# KiCad board NCU.kicad_pcb (continued)
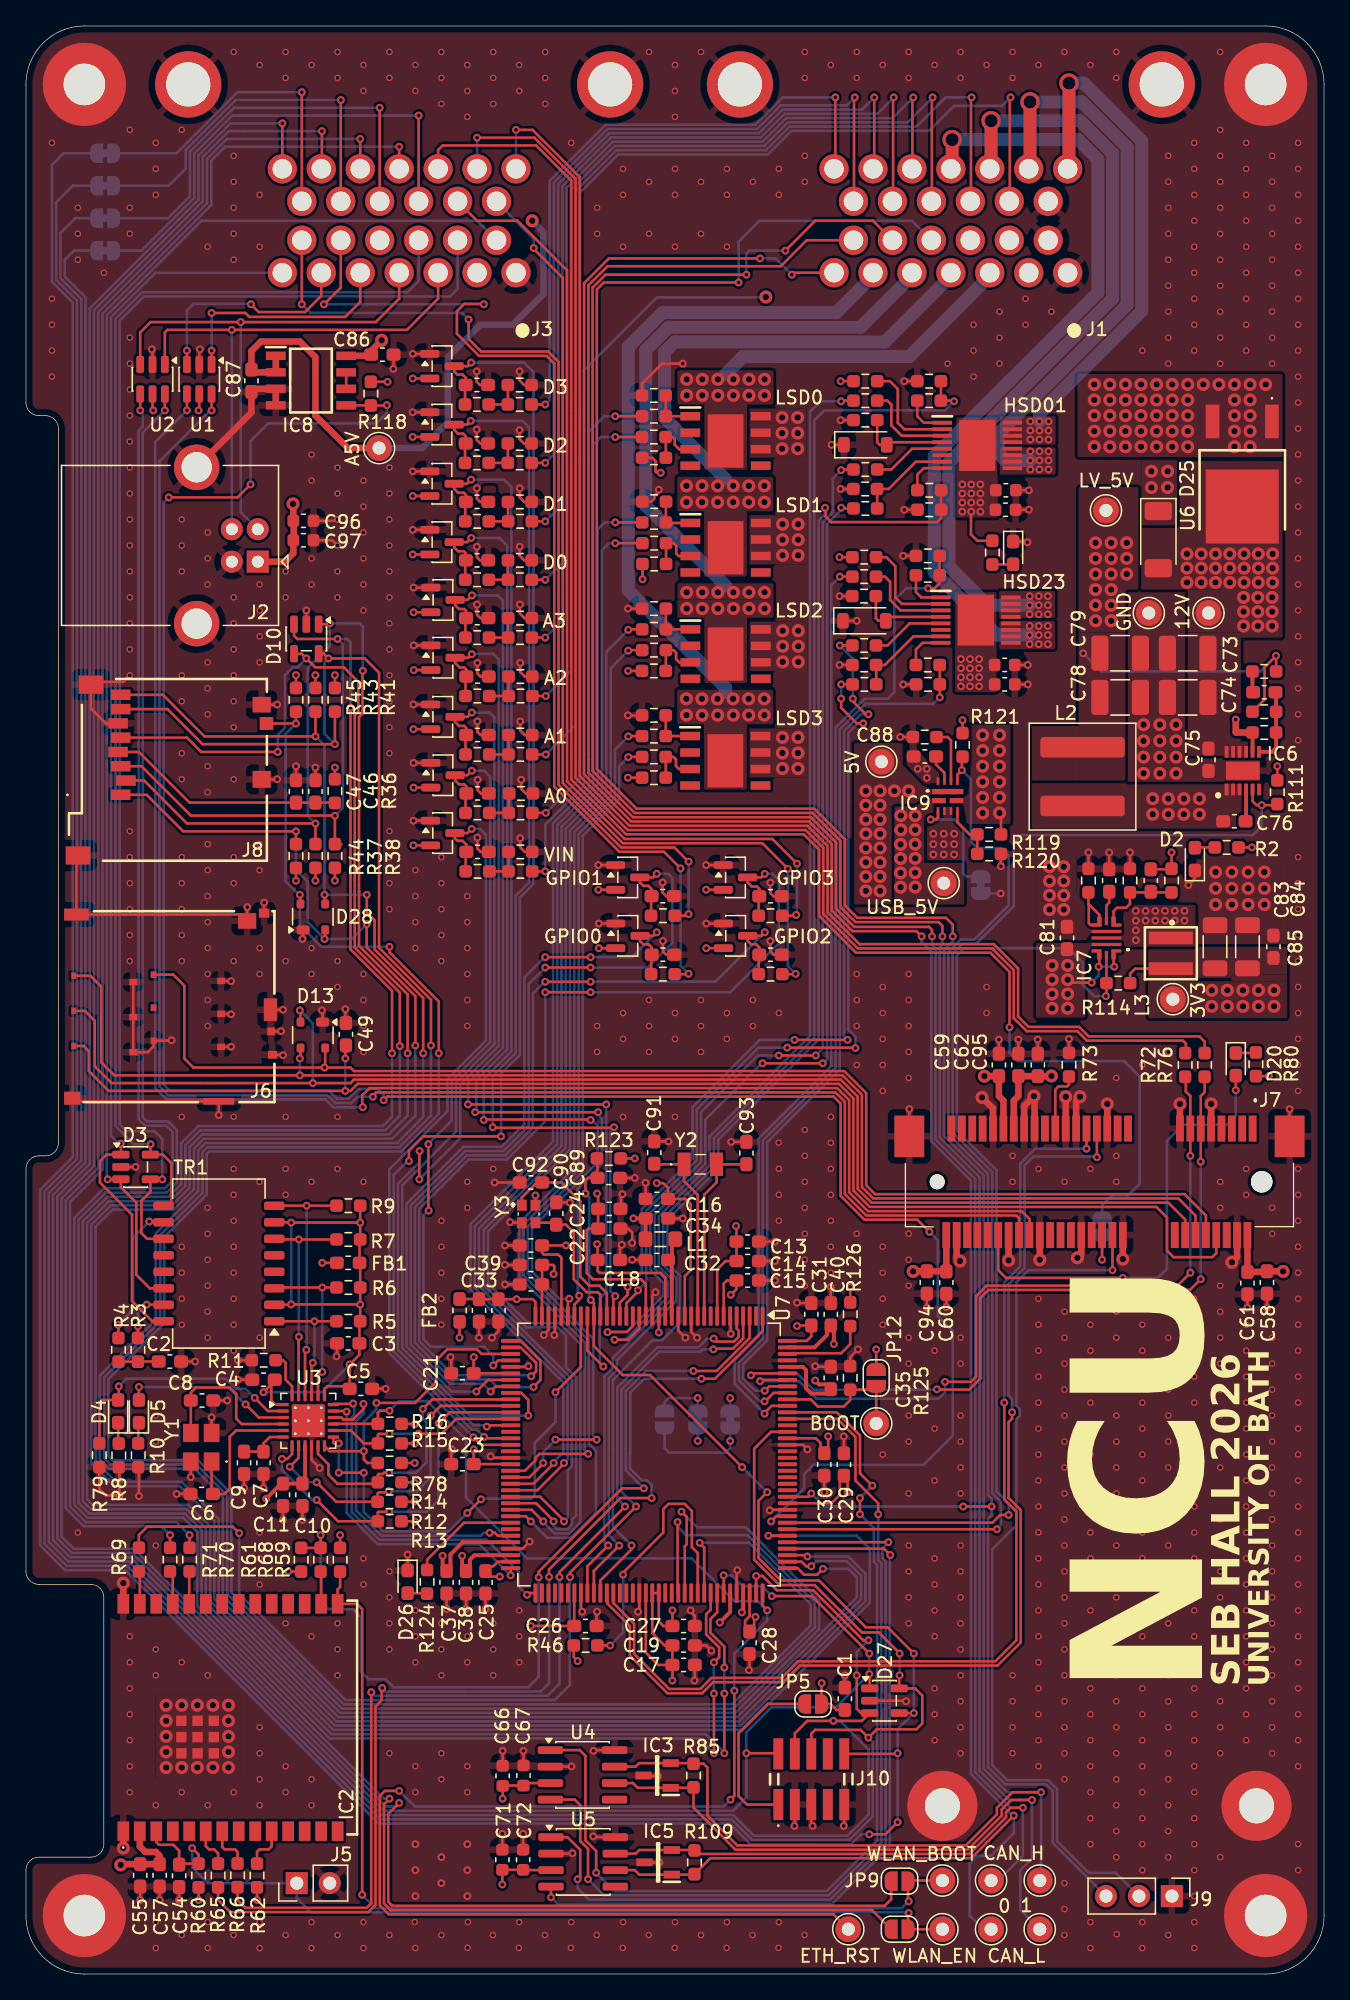
[diagram p0: board, top side]
## Placement (name value [footprint] x y rotation side) (continued)
R88  100k  [R_0603_1608Metric_Pad0.98x0.95mm_HandSolder]  48.37 121.55 180 top
R89  100k  [R_0603_1608Metric_Pad0.98x0.95mm_HandSolder]  48.38 116.75 0 top
R90  2.2k  [R_0603_1608Metric_Pad0.98x0.95mm_HandSolder]  48.38 103.54 180 top
R91  2.2k  [R_0603_1608Metric_Pad0.98x0.95mm_HandSolder]  48.38 101.94 180 top
R92  100k  [R_0603_1608Metric_Pad0.98x0.95mm_HandSolder]  48.38 105.14 180 top
R93  100k  [R_0603_1608Metric_Pad0.98x0.95mm_HandSolder]  48.37 100.34 0 top
R94  100k  [R_0603_1608Metric_Pad0.98x0.95mm_HandSolder]  69.58 122.65 180 top
R95  100k  [R_0603_1608Metric_Pad0.98x0.95mm_HandSolder]  69.59 112.75 180 top
R96  15k  [R_0603_1608Metric_Pad0.98x0.95mm_HandSolder]  69.58 121.15 180 top
R97  15k  [R_0603_1608Metric_Pad0.98x0.95mm_HandSolder]  64.66 121.15 0 top
R98  15k  [R_0603_1608Metric_Pad0.98x0.95mm_HandSolder]  64.66 115.85 0 top
R99  15k  [R_0603_1608Metric_Pad0.98x0.95mm_HandSolder]  64.66 112.85 0 top
R100  15k  [R_0603_1608Metric_Pad0.98x0.95mm_HandSolder]  69.59 114.25 180 top
R101  620R  [R_0603_1608Metric_Pad0.98x0.95mm_HandSolder]  64.65 114.35 0 top
R102  4.7k  [R_0603_1608Metric_Pad0.98x0.95mm_HandSolder]  64.66 119.65 180 top
R103  15k  [R_0603_1608Metric_Pad0.98x0.95mm_HandSolder]  64.66 122.65 0 top
R104  2.2k  [R_0603_1608Metric_Pad0.98x0.95mm_HandSolder]  48.37 95.32 180 top
R105  2.2k  [R_0603_1608Metric_Pad0.98x0.95mm_HandSolder]  48.37 93.72 180 top
R106  100k  [R_0603_1608Metric_Pad0.98x0.95mm_HandSolder]  48.37 96.92 180 top
R107  100k  [R_0603_1608Metric_Pad0.98x0.95mm_HandSolder]  48.37 92.12 0 top
R108  100  [R_0603_1608Metric_Pad0.98x0.95mm_HandSolder]  49.07 76.99 180 top
R109  120R  [R_0603_1608Metric_Pad0.98x0.95mm_HandSolder]  51.5 8.6 270 top  (not fitted)
R110  19.1k  [R_0603_1608Metric_Pad0.98x0.95mm_HandSolder]  95.39 95.6 180 top
R111  100k  [R_0603_1608Metric_Pad0.98x0.95mm_HandSolder]  96.4 91 90 top
R112  100k  [R_0603_1608Metric_Pad0.98x0.95mm_HandSolder]  95.39 97.2 0 top
R113  1k  [R_0603_1608Metric_Pad0.98x0.95mm_HandSolder]  95.39 100.3 180 top
R114  100k  [R_0603_1608Metric_Pad0.98x0.95mm_HandSolder]  84.15 76.3 0 top
R115  8.06k  [R_0603_1608Metric_Pad0.98x0.95mm_HandSolder]  81.85 84.2 270 top
R116  88.7k  [R_0603_1608Metric_Pad0.98x0.95mm_HandSolder]  88.25 84.2 90 top
R117  19.6k  [R_0603_1608Metric_Pad0.98x0.95mm_HandSolder]  85.05 84.2 270 top
R118  100k  [R_0603_1608Metric_Pad0.98x0.95mm_HandSolder]  26.57 121.69 90 top
R119  18k  [R_0603_1608Metric_Pad0.98x0.95mm_HandSolder]  74.2 87.75 180 top
R120  5k  [R_0603_1608Metric_Pad0.98x0.95mm_HandSolder]  74.2 86.25 0 top
R121  18k  [R_0603_1608Metric_Pad0.98x0.95mm_HandSolder]  72.15 94.64 270 top
R122  22.1k  [R_0603_1608Metric_Pad0.98x0.95mm_HandSolder]  69.24 95.25 180 top
R123  10k  [R_0603_1608Metric_Pad0.98x0.95mm_HandSolder]  44.9 62.8 180 top
R124  260R  [R_0603_1608Metric_Pad0.98x0.95mm_HandSolder]  30.9 30.2 270 top
R125  10k  [R_0603_1608Metric_Pad0.98x0.95mm_HandSolder]  63.5 45.9 90 top
R126  10k  [R_0603_1608Metric_Pad0.98x0.95mm_HandSolder]  63.5 50.8 270 top
S1  BTS3050EJXUMA1  [SOIC127P600X115-9N]  53.9 109.82 0 top
S2  BTS3050EJXUMA1  [SOIC127P600X115-9N]  53.89 118.05 0 top
S3  BTS3050EJXUMA1  [SOIC127P600X115-9N]  53.9 101.63 0 top
S4  BTS3050EJXUMA1  [SOIC127P600X115-9N]  53.87 93.42 0 top
TP1  12V  [TestPoint_THTPad_D2.0mm_Drill1.0mm]  91.1 104.8 0 top
TP2  GND  [TestPoint_THTPad_D2.0mm_Drill1.0mm]  86.5 104.8 180 top
TP3  LV_5V  [TestPoint_THTPad_D2.0mm_Drill1.0mm]  83.2 112.7 180 top
TP4  A5V  [TestPoint_THTPad_D2.0mm_Drill1.0mm]  27.2 117.5 0 top
TP6  USB_5V  [TestPoint_THTPad_D2.0mm_Drill1.0mm]  70.7 84 270 top
TP8  5V  [TestPoint_THTPad_D2.0mm_Drill1.0mm]  65.9 93.35 0 top
TP9  3V3  [TestPoint_THTPad_D2.0mm_Drill1.0mm]  88.35 75.06 180 top
TP10  WLAN_BOOT  [TestPoint_THTPad_D2.0mm_Drill1.0mm]  70.6 7.2 0 top
TP11  WLAN_EN  [TestPoint_THTPad_D2.0mm_Drill1.0mm]  70.6 3.45 0 top
TP14  CAN_H  [TestPoint_THTPad_D2.0mm_Drill1.0mm]  78.1 7.2 0 top
TP15  CAN_L  [TestPoint_THTPad_D2.0mm_Drill1.0mm]  78.1 3.45 0 top
TP16  CAN_H  [TestPoint_THTPad_D2.0mm_Drill1.0mm]  74.35 7.2 0 top
TP17  CAN_L  [TestPoint_THTPad_D2.0mm_Drill1.0mm]  74.35 3.45 0 top
TP18  BOOT  [TestPoint_THTPad_D2.0mm_Drill1.0mm]  65.5 42.4 270 top
TP20  ETH_RST  [TestPoint_THTPad_D2.0mm_Drill1.0mm]  63.35 3.45 0 top
TR1  PT61017PEL  [Transformer_Ethernet_Bourns_PT61017PEL]  14.86 54.71 180 top
U1  USBLC6-2SC6  [SOT-23-6]  13.35 122.8 270 top
U2  USBLC6-2SC6  [SOT-23-6]  9.75 122.8 270 top
U3  LAN8742A  [VQFN-24-1EP_4x4mm_P0.5mm_EP2.5x2.5mm_ThermalVias]  21.75 42.6 0 top
U4  SN65HVD230  [SOIC-8_3.9x4.9mm_P1.27mm]  42.88 15.34 0 top
U5  SN65HVD230  [SOIC-8_3.9x4.9mm_P1.27mm]  42.92 8.63 0 top
U6  TA6F27CA  [D_SOD-128]  87.24 110.45 270 top
U7  STM32H745ZITx  [LQFP-144_20x20mm_P0.5mm]  48 40 270 top
Y1  -  [LFXTAL071758Cutt]  13.5 40.56 90 top
Y2  NX3215SA-32.768K-STD-MUS-2  [NX3215SA32768KSTDMUS2]  51.95 62.35 0 top
Y3  Crystal_GND24  [NX2016SA32MEXS00ACS06465]  38.72 58.53 270 top

## Library data of the parts
C1-C97 = -: Description: Unpolarized capacitor; ki_fp_filters: C_*
D1 D2 D4 D5 D20 D26 = -: Description: Light emitting diode; Sim.Pins: 1=K 2=A; ki_fp_filters: LED* LED_SMD:* LED_THT:*
D3 = -: Datasheet: https://www.st.com/resource/en/datasheet/esda5v3sc6.pdf; Description: Quad TVS Diode Array, 6.1V Standoff, 4 Channels, 400W, ±30kV, SOT-23-5; ki_fp_filters: SOT?23*
D6 D8 D9 D11 D14-D19 D21 D22 D24 = -: Datasheet: https://www.diodes.com/assets/Datasheets/ds11005.pdf; Description: Vr 30V, If 200mA, Dual schottky barrier diode, in series, SOT-323; ki_fp_filters: SOT?23*
D7 D23 = -: Datasheet: https://www.vishay.com/docs/85748/1n4148w.pdf; Description: 75V 0.15A Fast Switching Diode, SOD-123; Sim.Device: D; Sim.Pins: 1=K 2=A; ki_fp_filters: D*SOD?123*
D10 D27 = -: Datasheet: http://www.littelfuse.com/~/media/files/littelfuse/technical%20resources/documents/data%20sheets/sp05xxba.pdf; Description: TVS Diode Array, 5.5V Standoff, 4 Channels, SOT-23-5 package; ki_fp_filters: SOT?23*
D13 D28 = -: Datasheet: http://www.littelfuse.com/~/media/files/littelfuse/technical%20resources/documents/data%20sheets/sp05xxba.pdf; Description: TVS Diode Array, 5.5V Standoff, 3 Channels, SOT-143 package; ki_fp_filters: SOT?143*
D25 = -: Datasheet: https://www.diodes.com//assets/Datasheets/SBR2065D1.pdf; Description: Diode 65 V 20A Surface Mount TO-252-3 , 630 mV , 400 A , -55C ~ 150C; Description_1: Diode 65 V 20A Surface Mount TO-252-3 , 630 mV , 400 A , -55C ~{} 150C; Height: 2.52; Mouser Part Number: 621-SBR2065D1-13; Mouser Price/Stock: https://www.mouser.co.uk/ProductDetail/Diodes-Incorporated/SBR2065D1-13?qs=j1jvDfvplqLOaXnbzobq8A%3D%3D; Manufacturer_Name: Diodes Incorporated
FB1 FB2 = -: Description: Ferrite bead; ki_fp_filters: Inductor_* L_* *Ferrite*
H1-H6 = -: Description: Mounting Hole with connection; ki_fp_filters: MountingHole*Pad*
IC1 IC4 = -: Datasheet: https://www.st.com/resource/en/datasheet/vnd7e025aj.pdf; Description: Double channel high-side driver with CurrentSense analog feedback for automotive applications; Description_1: Double channel high-side driver with CurrentSense analog feedback for automotive applications; Height: 1.7; Mouser Part Number: 511-VND7E025AJTR; Mouser Price/Stock: https://www.mouser.co.uk/ProductDetail/STMicroelectronics/VND7E025AJTR?qs=vLWxofP3U2yOEP3h0lN8mg%3D%3D; Manufacturer_Name: STMicroelectronics
IC2 = -: Datasheet: https://www.espressif.com/sites/default/files/documentation/esp32-c6-wroom-1_datasheet_en.pdf; Description: 802.15.4, Bluetooth, WiFi Bluetooth v5.0, Zigbee Transceiver Module 2.4GHz PCB Trace Surface Mount; Description_1: 802.15.4, Bluetooth, WiFi Bluetooth v5.0, Zigbee Transceiver Module 2.4GHz PCB Trace Surface Mount; Height: 3.25; Mouser Part Number: 356-ESP32C6WROOM1N8; Mouser Price/Stock: https://www.mouser.co.uk/ProductDetail/Espressif-Systems/ESP32-C6-WROOM-1-N8?qs=8Wlm6%252BaMh8ST02Gmwp74cw%3D%3D; Manufacturer_Name: Espressif Systems
IC3 IC5 = -: Datasheet: https://www.ti.com/lit/ds/symlink/esd2can24-q1.pdf?ts=1669637432096&ref_url=https%253A%252F%252Fwww.ti.com%252Fproduct%252FESD2CAN24-Q1; Description: ESD Suppressors / TVS Diodes Automotive, dual, 3-pF, +/-24-V, +/-30-kV ESD protection diode for CAN and in-vehicle networks 3-SOT-23 -55 to 150; Description_1: ESD Suppressors / TVS Diodes Automotive, dual, 3-pF, +/-24-V, +/-30-kV ESD protection diode for CAN and in-vehicle networks 3-SOT-23 -55 to 150; Height: 1.12; Mouser Part Number: 595-ESD2CAN24DBZRQ1; Mouser Price/Stock: https://www.mouser.co.uk/ProductDetail/Texas-Instruments/ESD2CAN24DBZRQ1?qs=Y0Uzf4wQF3knJz9mU6BNuw%3D%3D; Manufacturer_Name: Texas Instruments
IC6 = -: Datasheet: https://www.ti.com/lit/ds/symlink/lmr51460-q1.pdf?ts=1736319311098&ref_url=https%253A%252F%252Fwww.mouser.in%252F; Description: Switching Voltage Regulators Automotive, 36V, 5A Synchronous buck converter with low Iq; Description_1: Switching Voltage Regulators Automotive, 36V, 5A Synchronous buck converter with low Iq; Height: 0.8; Manufacturer_Name: Texas Instruments
IC7 = -: Datasheet: http://www.ti.com/lit/gpn/TPS62810-Q1; Description: Automotive 2.75-V to 6-V, 4-A step-down converter in a 2mm x 3mm wettable-flanks QFN package; Description_1: Automotive 2.75-V to 6-V, 4-A step-down converter in a 2mm x 3mm wettable-flanks QFN package; Height: 1; Mouser Price/Stock: https://www.mouser.co.uk/ProductDetail/Texas-Instruments/TPS62810QWRWYRQ1?qs=T3oQrply3y9PKnWDqkhfyw%3D%3D; Manufacturer_Name: Texas Instruments
IC8 = -: Datasheet: https://www.arrow.com/en/products/lp2951-50drg4/texas-instruments; Description: LDO Regulator Pos 1.235V to 30V5V 0.1A 8-Pin SOIC T/R; Description_1: LDO Regulator Pos 1.235V to 30V5V 0.1A 8-Pin SOIC T/R; Height: 1.75; Mouser Part Number: 595-LP2951-50DRG4; Mouser Price/Stock: https://www.mouser.co.uk/ProductDetail/Texas-Instruments/LP2951-50DRG4?qs=iSMark9AYDU32ynaxZ8RMg%3D%3D; Manufacturer_Name: Texas Instruments
IC9 = -: Datasheet: https://www.arrow.com/en/products/tps2121ruxt/texas-instruments; Description: Power Switch ICs - Power Distribution 2.7-22V, 56mG , 4.5A, Priority Power MUX with Seamless Switchover 12-VQFN-HR -40 to 125; Description_1: Power Switch ICs - Power Distribution 2.7-22V, 56mG , 4.5A, Priority Power MUX with Seamless Switchover 12-VQFN-HR -40 to 125; Height: 1; Mouser Part Number: 595-TPS2121RUXT; Mouser Price/Stock: https://www.mouser.co.uk/ProductDetail/Texas-Instruments/TPS2121RUXT?qs=l7cgNqFNU1i6abJCbO5ulQ%3D%3D; Manufacturer_Name: Texas Instruments
J1 J3 = -: Datasheet: https://www.te.com/commerce/DocumentDelivery/DDEController?Action=srchrtrv&DocNm=1-1773962-8&DocType=Data%20Sheet&DocLang=English&PartCntxt=6437288-4&DocFormat=pdf; Description: Body Features: Primary Product Color Black | Configuration Features: Number of Rows 4 | Number of Sections 1 | Number of Signal Positions 26 | PCB Mount Orientation Horizontal | Number of Positions 26 | Contact Features: Contact Mating Area Plating Material Gold | Contact Type Pin | Contact Size 1mm | Mating Pin Diameter .039 INCH | Mating Pin Diameter 1 MM | Dimensions: Connector Length 36.5 MM | Profile Height from PCB 1.098 INCH | Connector Length 1.437 INCH | Connector Width 39.5 MM | Connector Width 1.; Description_1: Body Features: Primary Product Color Black | Configuration Features: Number of Rows 4 | Number of Sections 1 | Number of Signal Positions 26 | PCB Mount Orientation Horizontal | Number of Positions 26 | Contact Features: Contact Mating Area Plating Material Gold | Contact Type Pin | Contact Size 1mm | Mating Pin Diameter .039 INCH | Mating Pin Diameter 1 MM | Dimensions: Connector Length 36.5 MM | Profile Height from PCB 1.098 INCH | Connector Length 1.437 INCH | Connector Width 39.5 MM | Connector Width 1.; Height: 27.9; Mouser Part Number: 571-6437288-4; Mouser Price/Stock: https://www.mouser.co.uk/ProductDetail/TE-Connectivity/6437288-4?qs=WBj8811fzwFJQoUvEBOh8Q%3D%3D; Manufacturer_Name: TE Connectivity
J2 = -: Description: USB Type B connector; ki_fp_filters: USB*
J5 = -: Description: Generic connector, single row, 01x02, script generated (kicad-library-utils/schlib/autogen/connector/); ki_fp_filters: Connector*:*_1x??_*
J6 = -: Datasheet: https://www.jae.com/direct/topics/topics_file_download/topics_id=68884&ext_no=06&_lang=en&v=; Description: microSIM card connector, 6 pos, 1.27mm height, Push-push type; Description_1: microSIM card connector, 6 pos, 1.27mm height, Push-push type; Height: 1.37; Mouser Part Number: 656-SF56K006VBAR2000; Mouser Price/Stock: https://www.mouser.co.uk/ProductDetail/JAE-Electronics/SF56K006VBAR2000?qs=1mbolxNpo8eLoSg2B80NDA%3D%3D; Manufacturer_Name: JAE
J7 = -: Datasheet: https://www.te.com/commerce/DocumentDelivery/DDEController?Action=showdoc&DocId=Customer+Drawing%7F2041262%7FC%7Fpdf%7FEnglish%7FENG_CD_2041262_C.pdf%7F2041262-1; Description: Body Features: Primary Product Color Black | Configuration Features: Number of Rows 2 | Number of Keys 1 | PCB Mount Orientation Horizontal | Number of Positions 52 | Contact Features: Contact Current Rating (Max) .5 AMP | Contact Underplating Material Nickel | Contact Mating Area Plating Material Gold Flash | PCB Contact Termination Area Plating Material Gold Flash | Contact Base Material Copper Alloy | PCB Contact Termination Area Plating Material Finish Bright | Dimensions: Row-to-Row Spacing .8 MM | Pro; Description_1: Body Features: Primary Product Color Black | Configuration Features: Number of Rows 2 | Number of Keys 1 | PCB Mount Orientation Horizontal | Number of Positions 52 | Contact Features: Contact Current Rating (Max) .5 AMP | Contact Underplating Material Nickel | Contact Mating Area Plating Material Gold Flash | PCB Contact Termination Area Plating Material Gold Flash | Contact Base Material Copper Alloy | PCB Contact Termination Area Plating Material Finish Bright | Dimensions: Row-to-Row Spacing .8 MM | Pro; Height: 6.8; Mouser Part Number: 571-2041262-1; Mouser Price/Stock: https://www.mouser.co.uk/ProductDetail/TE-Connectivity/2041262-1?qs=kAqyOuzYGe%2FrCCxCKrYF5Q%3D%3D; Manufacturer_Name: TE Connectivity
J8 = -: Datasheet: https://gct.co/files/drawings/MEM2052.pdf; Description: 9 (8 + 1) Position Card Connector Secure Digital - microSD Surface Mount, Right Angle Gold; Description_1: 9 (8 + 1) Position Card Connector Secure Digital - microSD Surface Mount, Right Angle Gold; Height: 2.2; Mouser Part Number: 640-MEM20520019500A; Mouser Price/Stock: https://www.mouser.co.uk/ProductDetail/GCT/MEM2052-00-195-00-A?qs=Jm2GQyTW%2Fbh7Ze6LKWKWwA%3D%3D; Manufacturer_Name: GCT (GLOBAL CONNECTOR TECHNOLOGY)
J9 = -: Description: Generic connector, single row, 01x03, script generated (kicad-library-utils/schlib/autogen/connector/); ki_fp_filters: Connector*:*_1x??_*
J10 = -: Datasheet: https://cdn.amphenol-cs.com/media/wysiwyg/files/drawing/20021121.pdf; Description: Headers & Wire Housings 1.27x1.27mm BTB, Hdr Unshrd, SMT, 10 Pos; Description_1: Headers & Wire Housings 1.27x1.27mm BTB, Hdr Unshrd, SMT, 10 Pos; Height: 5.7; Mouser Part Number: 649-202112100010C4LF; Mouser Price/Stock: https://www.mouser.co.uk/ProductDetail/Amphenol-FCI/20021121-00010C4LF?qs=iIVTEDlrHA1ddfCJGH4Nhg%3D%3D; Manufacturer_Name: Amphenol
JP1-JP4 JP6 JP7 JP11 = -: Description: Solder Jumper, 2-pole, closed/bridged; ki_fp_filters: SolderJumper*Bridged*
JP5 JP8-JP10 JP12 JP13 = -: Description: Solder Jumper, 2-pole, open; ki_fp_filters: SolderJumper*Open*
L1 = -: Datasheet: DFE201210U-2R2M=P2; Description: Inductor; ki_fp_filters: Choke_* *Coil* Inductor_* L_*
L2 L3 = -: Description: Inductor; ki_fp_filters: Choke_* *Coil* Inductor_* L_*
NT2 = -: Description: Net tie, 2 pins; ki_fp_filters: Net*Tie*
R1-R126 = -: Description: Resistor; ki_fp_filters: R_*
S1-S4 = -: Datasheet: https://componentsearchengine.com/Datasheets/2/BTS3050EJXUMA1.pdf; Description: INFINEON - BTS3050EJXUMA1 - POWER LOAD SW, AEC-Q100, 5.5V, TSSOP-8; Description_1: INFINEON - BTS3050EJXUMA1 - POWER LOAD SW, AEC-Q100, 5.5V, TSSOP-8; Height: 1.15; Mouser Part Number: 726-BTS3050EJXUMA1; Mouser Price/Stock: https://www.mouser.co.uk/ProductDetail/Infineon-Technologies/BTS3050EJXUMA1?qs=fzAzNaZoZhb8fcoHdYQCeg%3D%3D; Manufacturer_Name: Infineon
TP1-TP4 TP6 TP8-TP11 TP14-TP18 TP20 = -: Description: test point; ki_fp_filters: Pin* Test*
TR1 = -: Datasheet: https://www.bourns.com/docs/Product-Datasheets/PT61017PEL.pdf; Description: Ethernet LAN 10/100 Base-Tx Transformer with Center Taps; ki_fp_filters: Transformer*Ethernet*Bourns*PT61017PEL*
U1 U2 = -: Datasheet: https://www.st.com/resource/en/datasheet/usblc6-2.pdf; Description: Very low capacitance ESD protection diode, 2 data-line, SOT-23-6; ki_fp_filters: SOT?23*
U3 = -: Datasheet: http://ww1.microchip.com/downloads/en/DeviceDoc/8742a.pdf; Description: LAN8720 Ethernet PHY with RMII interface, QFN-24; ki_fp_filters: VQFN*1EP*4x4mm*P0.5mm*
U4 U5 = -: Datasheet: http://www.ti.com/lit/ds/symlink/sn65hvd230.pdf; Description: CAN Bus Transceivers, 3.3V, 1Mbps, Low-Power capabilities, SOIC-8; ki_fp_filters: SOIC*3.9x4.9mm*P1.27mm*
U7 = -: Datasheet: https://www.st.com/resource/en/datasheet/stm32h745zi.pdf; Description: STMicroelectronics Arm Cortex-M7 MCU, 2048KB flash, 1024KB RAM, 480 MHz, 1.62-3.6V, 99 GPIO, LQFP144; ki_fp_filters: LQFP*20x20mm*P0.5mm*
Y1 = -: Datasheet: https://www.iqdfrequencyproducts.com/products/pn/LFXTAL071758Reel.pdf; Description: Crystals 25.0MHz AEC-Q200 3.2 x 2.5 x 0.8mm; Description_1: Crystals 25.0MHz AEC-Q200 3.2 x 2.5 x 0.8mm; Height: 0.8; Mouser Part Number: 449-LFXTAL071758CUTT; Mouser Price/Stock: https://www.mouser.co.uk/ProductDetail/IQD/LFXTAL071758Cutt?qs=nFovR%252B4R4UN8RYPh9I588Q%3D%3D; Manufacturer_Name: IQD
Y2 = -: Description: Crystals CRYSTAL 32.768KHZ 12.5PF SMD; Description_1: Crystals CRYSTAL 32.768KHZ 12.5PF SMD; Height: 0.9; Mouser Part Number: 344-NX3215SA32768K2; Mouser Price/Stock: https://www.mouser.co.uk/ProductDetail/NDK/NX3215SA-32.768K-STD-MUS-2?qs=55YtniHzbhBhq8%2F%252BgN8zBA%3D%3D; Manufacturer_Name: NDK
Y3 = -: Description: Four pin crystal, GND on pins 2 and 4; ki_fp_filters: Crystal*

## Footprints (pads in the part's own frame, mm; a bottom-side part is the same pattern mirrored in y, then rotated)
20412621
  round 1.65 hole 1.65 unplated: (-0.7,4.1)
  round 1.15 hole 1.15 unplated: (24.3,4.1)
  rect 0.6x2 smd: 1(0,0) 2(0.4,8.2) 3(0.8,0) 4(1.2,8.2) 5(1.6,0) 6(2,8.2) 7(2.4,0) 8(2.8,8.2) 9(3.2,0) 10(3.6,8.2) 11(4,0) 12(4.4,8.2) 13(4.8,0) 14(5.2,8.2) 15(5.6,0) 16(6,8.2) 17(9.6,0) 18(10,8.2) 19(10.4,0) 20(10.8,8.2) 21(11.2,0) 22(11.6,8.2) 23(12,0) 24(12.4,8.2) 25(12.8,0) 26(13.2,8.2) 27(13.6,0) 28(14,8.2) 29(14.4,0) 30(14.8,8.2) 31(15.2,0) 32(15.6,8.2) 33(16,0) 34(16.4,8.2) 35(16.8,0) 36(17.2,8.2) 37(17.6,0) 38(18,8.2) 39(18.4,0) 40(18.8,8.2) 41(19.2,0) 42(19.6,8.2) 43(20,0) 44(20.4,8.2) 45(20.8,0) 46(21.2,8.2) 47(21.6,0) 48(22,8.2) 49(22.4,0) 50(22.8,8.2) 51(23.2,0) 52(23.6,8.2)
  rect 2.3x3.2 smd: MP1(-2.85,0.6) MP2(26.45,0.6)
64372884
  round 2.25 hole 1.5: 1(0,0) 2(3,0) 3(6,0) 4(9,0) 5(12,0) 6(15,0) 7(18,0) 8(1.5,-2.5) 9(4.5,-2.5) 10(7.5,-2.5) 11(10.5,-2.5) 12(13.5,-2.5) 13(16.5,-2.5) 14(1.5,-5.5) 15(4.5,-5.5) 16(7.5,-5.5) 17(10.5,-5.5) 18(13.5,-5.5) 19(16.5,-5.5) 20(0,-8) 21(3,-8) 22(6,-8) 23(9,-8) 24(12,-8) 25(15,-8) 26(18,-8)
  round 5.1 hole 3.4: MH1(-7.25,-14.5) MH2(25.25,-14.5)
2002112100010C4LF
  rect 0.76x2.4 smd: 1(-2.54,-1.95) 2(-2.54,1.95) 3(-1.27,-1.95) 4(-1.27,1.95) 5(0,-1.95) 6(0,1.95) 7(1.27,-1.95) 8(1.27,1.95) 9(2.54,-1.95) 10(2.54,1.95)
C_0603_1608Metric
  rrect 0.9x0.95 smd: 1(-0.775,0) 2(0.775,0)
C_0603_1608Metric_Pad1.08x0.95mm_HandSolder
  rrect 1.075x0.95 smd: 1(-0.863,0) 2(0.863,0)
C_1210_3225Metric_Pad1.33x2.70mm_HandSolder
  rrect 1.325x2.7 smd: 1(-1.562,0) 2(1.562,0)
D_SOD-123
  rrect 0.9x1.2 smd: 1(-1.65,0) 2(1.65,0)
D_SOD-128
  rrect 1.4x2.1 smd: 1(-2.2,0) 2(2.2,0)
ESP32C6WROOM1N8
  rect 1.5x0.9 smd: 1(-8.75,5.26) 2(-8.75,3.99) 3(-8.75,2.72) 4(-8.75,1.45) 5(-8.75,0.18) 6(-8.75,-1.09) 7(-8.75,-2.36) 8(-8.75,-3.63) 9(-8.75,-4.9) 10(-8.75,-6.17) 11(-8.75,-7.44) 12(-8.75,-8.71) 13(-8.75,-9.98) 14(-8.75,-11.25) 15(8.75,-11.25) 16(8.75,-9.98) 17(8.75,-8.71) 18(8.75,-7.44) 19(8.75,-6.17) 20(8.75,-4.9) 21(8.75,-3.63) 22(8.75,-2.36) 23(8.75,-1.09) 24(8.75,0.18) 25(8.75,1.45) 26(8.75,2.72) 27(8.75,3.99) 28(8.75,5.26)
  rect 0.8x0.8 smd: 29(-1.505,-0.46) 30(-2.755,0.79) 31(-2.755,-0.46) 32(-2.755,-1.71) 33(-1.505,-1.71) 34(-0.255,-1.71) 35(-0.255,-0.46) 36(-0.255,0.79) 37(-1.505,0.79)
L_0603_1608Metric_Pad1.05x0.95mm_HandSolder
  rrect 1.05x0.95 smd: 1(-0.875,0) 2(0.875,0)
L_0805_2012Metric_Pad1.05x1.20mm_HandSolder
  rrect 1.05x1.2 smd: 1(-1.15,0) 2(1.15,0)
L_1206_3216Metric_Pad1.22x1.90mm_HandSolder
  rrect 1.225x1.9 smd: 1(-1.663,0) 2(1.663,0)
L_Coilcraft_XAL7030-472
  rrect 1.58x6.5 smd: 1(-2.26,0) 2(2.26,0)
LED_0603_1608Metric_Pad1.05x0.95mm_HandSolder
  rrect 1.05x0.95 smd: 1(-0.875,0) 2(0.875,0)
LFXTAL071758Cutt
  rect 1.4x1.2 smd: 1(-1.1,-0.8) 2(1.1,-0.8) 3(1.1,0.8) 4(-1.1,0.8)
LQFP-144_20x20mm_P0.5mm
  rrect 1.475x0.3 smd: 1(-10.662,8.75) 2(-10.662,8.25) 3(-10.662,7.75) 4(-10.662,7.25) 5(-10.662,6.75) 6(-10.662,6.25) 7(-10.662,5.75) 8(-10.662,5.25) 9(-10.662,4.75) 10(-10.662,4.25) 11(-10.662,3.75) 12(-10.662,3.25) 13(-10.662,2.75) 14(-10.662,2.25) 15(-10.662,1.75) 16(-10.662,1.25) 17(-10.662,0.75) 18(-10.662,0.25) 19(-10.662,-0.25) 20(-10.662,-0.75) 21(-10.662,-1.25) 22(-10.662,-1.75) 23(-10.662,-2.25) 24(-10.662,-2.75) 25(-10.662,-3.25) 26(-10.662,-3.75) 27(-10.662,-4.25) 28(-10.662,-4.75) 29(-10.662,-5.25) 30(-10.662,-5.75) 31(-10.662,-6.25) 32(-10.662,-6.75) 33(-10.662,-7.25) 34(-10.662,-7.75) 35(-10.662,-8.25) 36(-10.662,-8.75) 73(10.662,-8.75) 74(10.662,-8.25) 75(10.662,-7.75) 76(10.662,-7.25) 77(10.662,-6.75) 78(10.662,-6.25) 79(10.662,-5.75) 80(10.662,-5.25) 81(10.662,-4.75) 82(10.662,-4.25) 83(10.662,-3.75) 84(10.662,-3.25) 85(10.662,-2.75) 86(10.662,-2.25) 87(10.662,-1.75) 88(10.662,-1.25) 89(10.662,-0.75) 90(10.662,-0.25) 91(10.662,0.25) 92(10.662,0.75) 93(10.662,1.25) 94(10.662,1.75) 95(10.662,2.25) 96(10.662,2.75) 97(10.662,3.25) 98(10.662,3.75) 99(10.662,4.25) 100(10.662,4.75) 101(10.662,5.25) 102(10.662,5.75) 103(10.662,6.25) 104(10.662,6.75) 105(10.662,7.25) 106(10.662,7.75) 107(10.662,8.25) 108(10.662,8.75)
  rrect 0.3x1.475 smd: 37(-8.75,-10.662) 38(-8.25,-10.662) 39(-7.75,-10.662) 40(-7.25,-10.662) 41(-6.75,-10.662) 42(-6.25,-10.662) 43(-5.75,-10.662) 44(-5.25,-10.662) 45(-4.75,-10.662) 46(-4.25,-10.662) 47(-3.75,-10.662) 48(-3.25,-10.662) 49(-2.75,-10.662) 50(-2.25,-10.662) 51(-1.75,-10.662) 52(-1.25,-10.662) 53(-0.75,-10.662) 54(-0.25,-10.662) 55(0.25,-10.662) 56(0.75,-10.662) 57(1.25,-10.662) 58(1.75,-10.662) 59(2.25,-10.662) 60(2.75,-10.662) 61(3.25,-10.662) 62(3.75,-10.662) 63(4.25,-10.662) 64(4.75,-10.662) 65(5.25,-10.662) 66(5.75,-10.662) 67(6.25,-10.662) 68(6.75,-10.662) 69(7.25,-10.662) 70(7.75,-10.662) 71(8.25,-10.662) 72(8.75,-10.662) 109(8.75,10.662) 110(8.25,10.662) 111(7.75,10.662) 112(7.25,10.662) 113(6.75,10.662) 114(6.25,10.662) 115(5.75,10.662) 116(5.25,10.662) 117(4.75,10.662) 118(4.25,10.662) 119(3.75,10.662) 120(3.25,10.662) 121(2.75,10.662) 122(2.25,10.662) 123(1.75,10.662) 124(1.25,10.662) 125(0.75,10.662) 126(0.25,10.662) 127(-0.25,10.662) 128(-0.75,10.662) 129(-1.25,10.662) 130(-1.75,10.662) 131(-2.25,10.662) 132(-2.75,10.662) 133(-3.25,10.662) 134(-3.75,10.662) 135(-4.25,10.662) 136(-4.75,10.662) 137(-5.25,10.662) 138(-5.75,10.662) 139(-6.25,10.662) 140(-6.75,10.662) 141(-7.25,10.662) 142(-7.75,10.662) 143(-8.25,10.662) 144(-8.75,10.662)
MEM20520019500A
  rect 0.8x1.5 smd: 1(1.905,-3.635) 2(0.805,-3.235) 3(-0.295,-3.635) 4(-1.395,-3.835) 5(-2.495,-3.635) 6(-3.595,-3.835) 7(-4.695,-3.635) 8(-5.795,-3.635)
  rect 1x1.04 smd: 9(-3.585,7.595)
  rect 1.4x1.9 smd: G1(6.575,-6.925) G2(-6.575,-5.925)
  rect 1.2x1.4 smd: G3(-5.035,7.225)
  rect 1.3x1.4 smd: G4(0.715,7.225)
MountingHole_2.7mm_M2.5_Pad
  round 5.4 hole 2.7: 1(0,0)
MountingHole_3.2mm_M3_Pad
  round 6.4 hole 3.2: 1(0,0)
NetTie-2_SMD_Pad0.5mm
  round 0.5 smd: 1(-0.5,0) 2(0.5,0)
NX2016SA32MEXS00ACS06465
  rect 0.85x0.75 smd: 1(-0.675,-0.525) 2(0.675,-0.525) 3(0.675,0.525) 4(-0.675,0.525)
NX3215SA32768KSTDMUS2
  rect 1x1.8 smd: 1(-1.25,0) 2(1.25,0)
PinHeader_1x02_P2.54mm_Vertical
  rect 1.7x1.7 hole 1: 1(0,0)
  round 1.7 hole 1: 2(0,-2.54)
PinHeader_1x03_P2.54mm_Vertical
  rect 1.7x1.7 hole 1: 1(0,0)
  round 1.7 hole 1: 2(0,-2.54) 3(0,-5.08)
R_0603_1608Metric_Pad0.98x0.95mm_HandSolder
  rrect 0.975x0.95 smd: 1(-0.912,0) 2(0.912,0)
SBR2065D113
  rect 1.06x2.6 smd: 1(-2.286,-4.16) 3(2.286,-4.16)
  rect 5.632x5.7 smd: 2(0,2.39)
SF56K006VBAR2000
  rect 0.5x0.35 smd: C1(3.03,-7.375) C2(0.33,-7.375) C3(-2.37,-7.375)
  rect 0.5x0.45 smd: C5(2.62,-1.205) C6(0.08,-1.205) C7(-2.46,-1.205)
  rect 0.5x0.6 smd: D1(3.51,-2.78) D2(0.81,-2.78) D3(-1.89,-2.78) D4(3.1,3.99) D5(0.56,3.99) D6(-1.98,3.99)
  rect 0.7x0.8 smd: DSW1(-7.2,7.3)
  rect 0.6x0.6 smd: DSW2(1.91,7.85)
  rect 0.92x1.9 smd: G1(-7.09,-7.15)
  rect 1.2x1.4 smd: G2(-6.6,6)
  rect 1.75x1.02 smd: G3(0.24,7.79)
  rect 0.52x2.4 smd: G4(7.29,3.81)
  rect 1x1.25 smd: G5(7.05,-7.475)
  rect 0.6x0.7 smd: G6(3.71,7.95)
SOIC127P600X115-9N
  rect 1.525x0.65 smd: 1(-2.712,1.905) 2(-2.712,0.635) 3(-2.712,-0.635) 4(-2.712,-1.905) 5(2.712,-1.905) 6(2.712,-0.635) 7(2.712,0.635) 8(2.712,1.905)
  rect 2.75x4.1 smd: 9(0,0)
SOIC127P600X175-8N
  rect 1.525x0.65 smd: 1(-2.712,1.905) 2(-2.712,0.635) 3(-2.712,-0.635) 4(-2.712,-1.905) 5(2.712,-1.905) 6(2.712,-0.635) 7(2.712,0.635) 8(2.712,1.905)
SOIC-8_3.9x4.9mm_P1.27mm
  rrect 1.95x0.6 smd: 1(-2.475,1.905) 2(-2.475,0.635) 3(-2.475,-0.635) 4(-2.475,-1.905) 5(2.475,-1.905) 6(2.475,-0.635) 7(2.475,0.635) 8(2.475,1.905)
SolderJumper-2_P1.3mm_Bridged_RoundedPad1.0x1.5mm
  custom 1x1.5 smd: 1(-0.65,0) 2(0.65,0)
SolderJumper-2_P1.3mm_Open_RoundedPad1.0x1.5mm
  custom 1x1.5 smd: 1(-0.65,0) 2(0.65,0)
SON50P300X300X80-13N-D
  rect 0.9x0.3 smd: 1(-1.45,1.25) 2(-1.45,0.75) 3(-1.45,0.25) 4(-1.45,-0.25) 5(-1.45,-0.75) 6(-1.45,-1.25) 7(1.45,-1.25) 8(1.45,-0.75) 9(1.45,-0.25) 10(1.45,0.25) 11(1.45,0.75) 12(1.45,1.25)
  rect 1.4x2.6 smd: 13(0,0)
SOP50P600X170-17N
  rect 1.5x0.3 smd: 1(-2.7,1.75) 2(-2.7,1.25) 3(-2.7,0.75) 4(-2.7,0.25) 5(-2.7,-0.25) 6(-2.7,-0.75) 7(-2.7,-1.25) 8(-2.7,-1.75) 9(2.7,-1.75) 10(2.7,-1.25) 11(2.7,-0.75) 12(2.7,-0.25) 13(2.7,0.25) 14(2.7,0.75) 15(2.7,1.25) 16(2.7,1.75)
  rect 2.8x3.91 smd: 17(0,0)
SOT95P237X112-3N
  rect 1.25x0.6 smd: 1(-1.05,0.95) 2(-1.05,-0.95) 3(1.05,0)
SOT-23
  rrect 1.475x0.6 smd: 1(-0.938,0.95) 2(-0.938,-0.95) 3(0.938,0)
SOT-23-5
  rrect 1.325x0.6 smd: 1(-1.137,0.95) 2(-1.137,0) 3(-1.137,-0.95) 4(1.137,-0.95) 5(1.137,0.95)
SOT-23-6
  rrect 1.325x0.6 smd: 1(-1.137,0.95) 2(-1.137,0) 3(-1.137,-0.95) 4(1.137,-0.95) 5(1.137,0) 6(1.137,0.95)
SOT-143
  rrect 0.7x1 smd: 1(-1,0.75)
  rrect 0.7x0.6 smd: 2(-1,-0.95) 3(1,-0.95) 4(1,0.95)
TestPoint_THTPad_D2.0mm_Drill1.0mm
  round 2 hole 1: 1(0,0)
TPS2121RUXT
  rect 1.05x0.4 smd: 1(-0.675,0.35) 2(-0.675,-0.35) 7(0.675,-0.35) 8(0.675,0.35)
  rect 0.2x0.6 smd: 3(-0.75,-1.15) 4(-0.25,-1.15) 5(0.25,-1.15) 6(0.75,-1.15) 9(0.75,1.15) 10(0.25,1.15) 11(-0.25,1.15) 12(-0.75,1.15)
TPS6281008QWRWYRQ1
  rect 0.775x0.25 smd: 1(-0.762,1) 5(-0.762,-1) 7(0.762,-1) 8(0.762,1)
  rect 2.3x0.25 smd: 2(0,0.5) 3(0,0) 4(0,-0.5)
  rect 0.25x0.65 smd: 6(0,-1.325) 9(0,1.325)
  rect 0.35x0.525 smd: 10(-0.55,1.388) 11(-0.55,-1.388) 12(0.55,-1.388) 13(0.55,1.388)
Transformer_Ethernet_Bourns_PT61017PEL
  rrect 1.575x0.65 smd: 1(-4.263,4.445) 2(-4.263,3.175) 3(-4.263,1.905) 4(-4.263,0.635) 5(-4.263,-0.635) 6(-4.263,-1.905) 7(-4.263,-3.175) 8(-4.263,-4.445) 9(4.263,-4.445) 10(4.263,-3.175) 11(4.263,-1.905) 12(4.263,-0.635) 13(4.263,0.635) 14(4.263,1.905) 15(4.263,3.175) 16(4.263,4.445)
USB_B_OST_USB-B1HSxx_Horizontal
  rect 1.7x1.7 hole 0.92: 1(0,0)
  round 1.7 hole 0.92: 2(0,-2.5) 3(2,-2.5) 4(2,0)
  round 3.5 hole 2.33: 5(4.71,4.77) 5(4.71,-7.27)
VQFN-24-1EP_4x4mm_P0.5mm_EP2.5x2.5mm_ThermalVias
  rrect 0.93x0.93 smd: (-0.625,0.625) (-0.625,-0.625) (0.625,0.625) (0.625,-0.625)
  rrect 0.875x0.25 smd: 1(-1.938,1.25) 2(-1.938,0.75) 3(-1.938,0.25) 4(-1.938,-0.25) 5(-1.938,-0.75) 6(-1.938,-1.25) 13(1.938,-1.25) 14(1.938,-0.75) 15(1.938,-0.25) 16(1.938,0.25) 17(1.938,0.75) 18(1.938,1.25)
  rrect 0.25x0.875 smd: 7(-1.25,-1.938) 8(-0.75,-1.938) 9(-0.25,-1.938) 10(0.25,-1.938) 11(0.75,-1.938) 12(1.25,-1.938) 19(1.25,1.938) 20(0.75,1.938) 21(0.25,1.938) 22(-0.25,1.938) 23(-0.75,1.938) 24(-1.25,1.938)
  round 0.5 hole 0.2: 25(-1,1) 25(-1,0) 25(-1,-1) 25(0,1) 25(0,0) 25(0,-1) 25(1,1) 25(1,0) 25(1,-1)
  rect 2.5x2.5 smd: 25(0,0)
  rect 2.5x2.5 smd far side: 25(0,0)
XFL4012
  rect 0.98x3.4 smd: 1(-1.185,0) 2(1.185,0)

## Nets
3V3: C1.1 C10.1 C11.1 C13.1 C14.1 C15.1 C16.1 C17.1 C18.1 C19.1 C20.1 C21.1 C22.1 C23.1 C24.1 C25.1 C26.1 C27.1 C28.1 C29.1 C30.1 C31.1 C55.1 C57.1 C58.1 C59.1 C60.1 C61.1 C62.1 C66.1 C67.1 C71.1 C72.1 C82.1 C83.1 C84.1 C85.1 C94.1 C95.1 D6.2 D8.2 D9.2 D11.2 D14.2 D15.2 D16.2 D17.2 D18.2 D19.2 D21.2 D22.2 D24.2 FB1.2 FB2.1 IC2.2 J3.11 J7.2 J7.39 J7.41 J7.52 JP5.2 JP12.2 L3.2 R2.1 R12.1 R13.1 R14.1 R15.1 R16.1 R23.1 R33.1 R36.2 R37.1 R38.1 R41.1 R43.1 R44.1 R45.1 R59.1 R60.1 R61.1 R62.1 R78.1 R80.1 R89.1 R93.1 R103.1 R107.1 R111.2 R114.2 R116.2 R118.2 R121.1 R123.1 R126.1 TP9.1 U3.9 U4.3 U5.3 U7.7 U7.8 U7.13 U7.16 U7.19 U7.32 U7.42 U7.56 U7.71 U7.79 U7.90 U7.91 U7.92 U7.106 U7.119 U7.129 U7.144
5V: C81.1 IC7.1 IC7.2 IC7.8 IC7.10 IC7.13 IC9.1 IC9.8 TP8.1
12V: D25.1 D25.3 J1.2 J1.9
12V_PRT: C42.1 C43.1 C68.1 C69.1 C73.1 C74.1 C75.1 C86.1 D25.2 IC1.17 IC4.17 IC6.9 IC6.10 IC6.11 IC6.12 IC8.8 R1.1 R81.1 TP1.1 U6.2
/INPUTS/12V_IO: C64.1 D21.3 R83.2 U7.53
/MCU/3V3_PG: IC7.9 R114.1 U7.116
/MCU/A5V_PG: IC8.5 R118.1 U7.117
/MCU/MCU Power/1V2_MCU: C34.1 JP6.1 JP8.2 L1.2
/MCU/MCU Power/VDDLDO: C38.1 C40.1 JP6.2 U7.70 U7.105 U7.143
A5V: C87.1 IC8.1 IC8.2 J1.10 TP4.1
